# Allegro board zp-dic_pda_8ch_board_v001_166_20241018_1809.brd (continued)
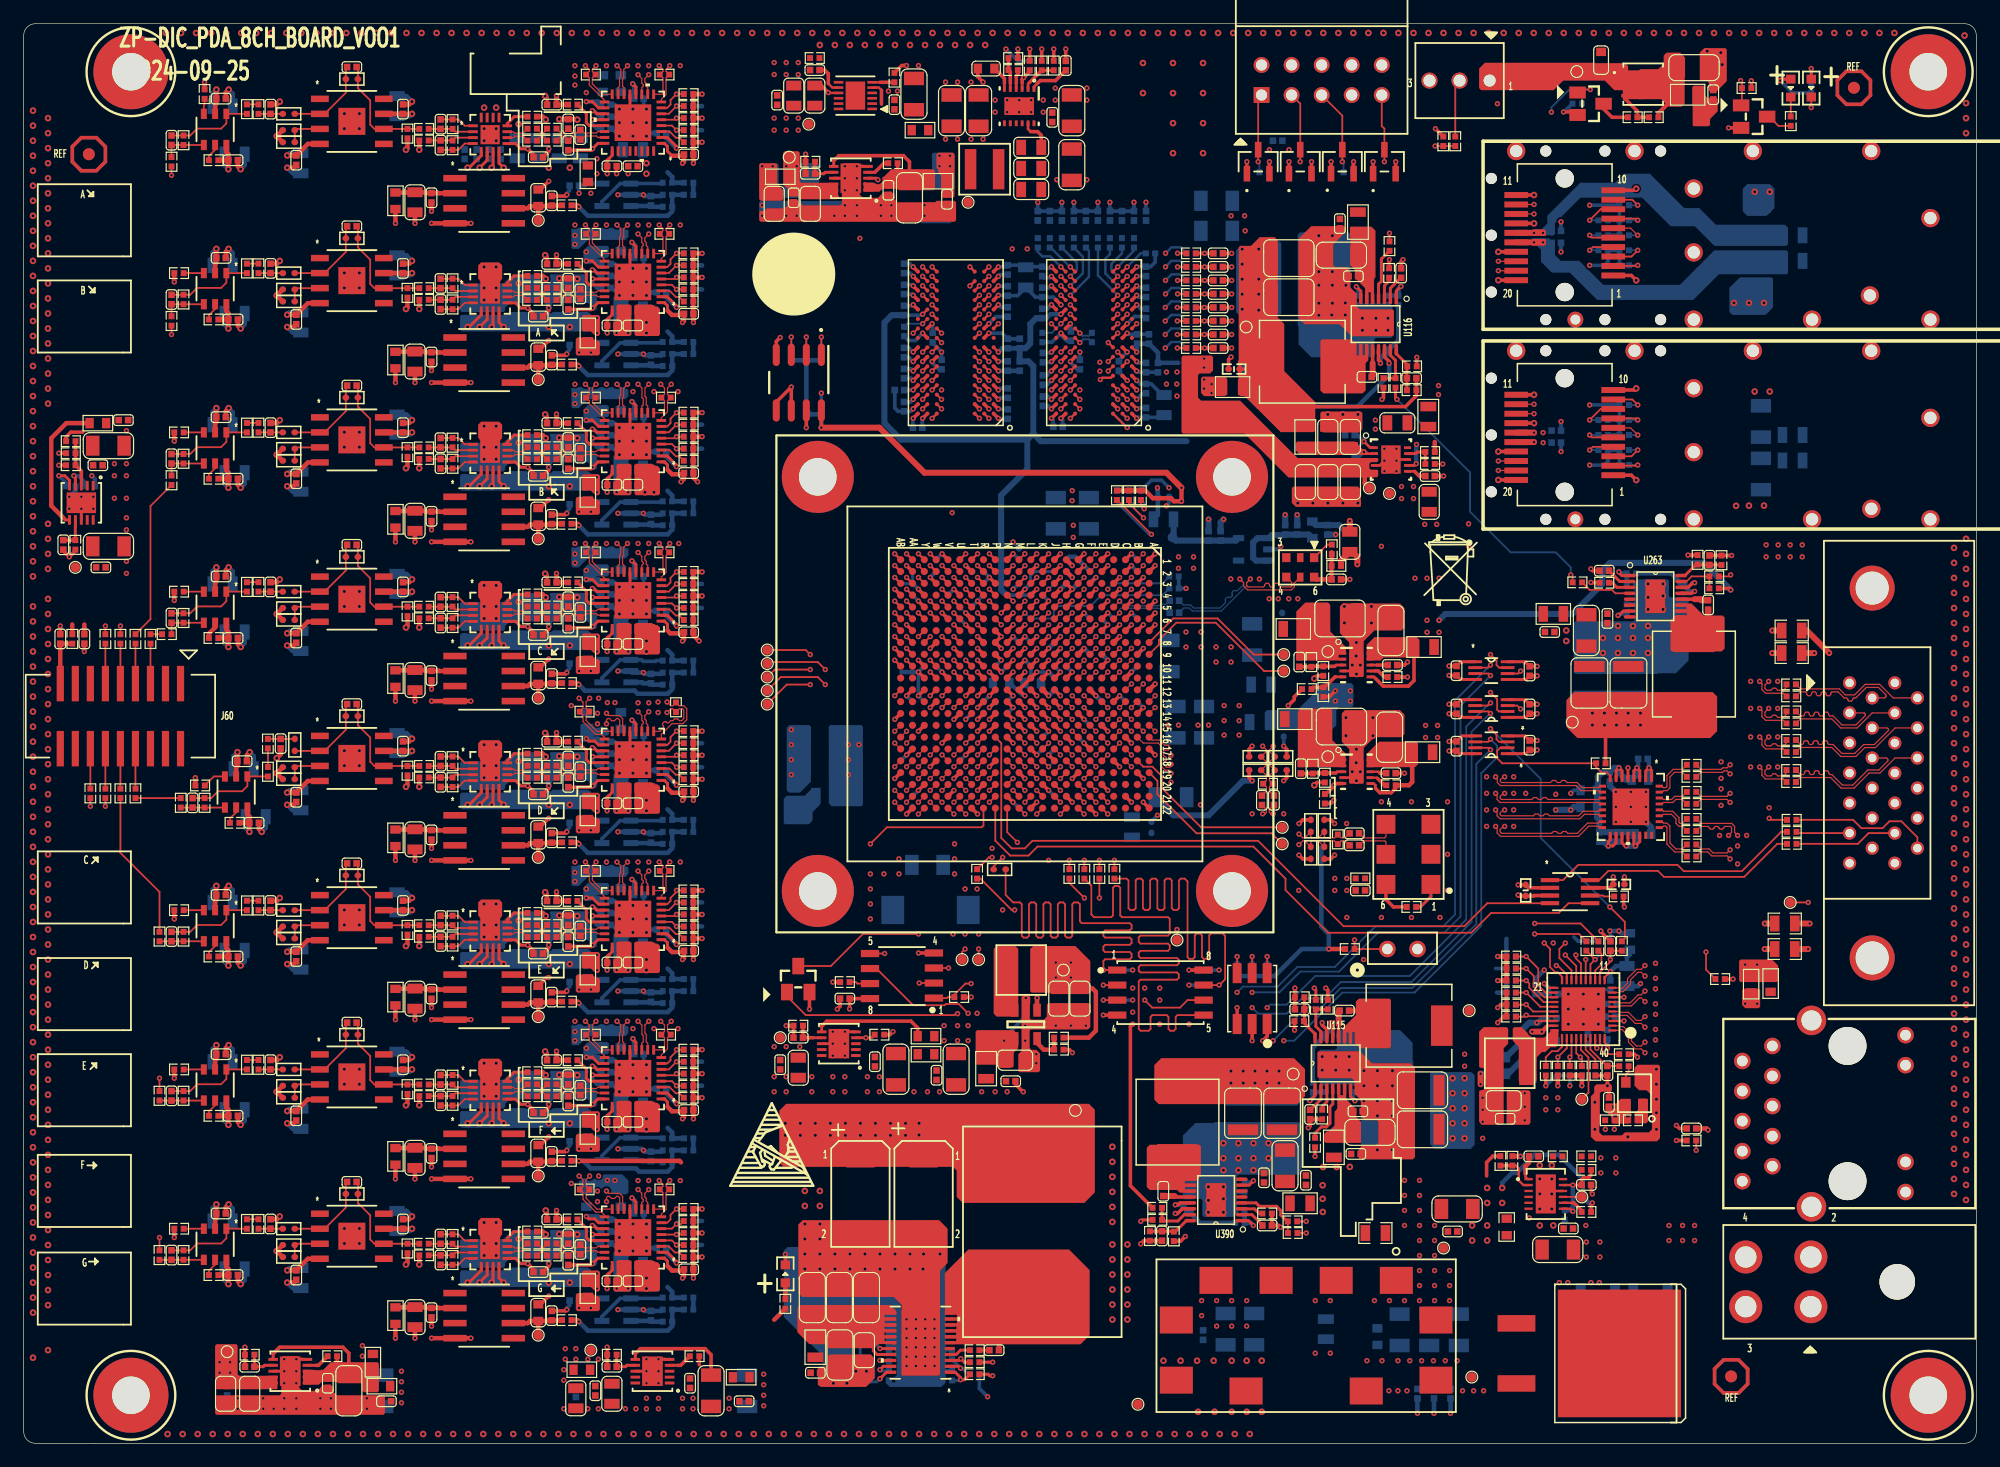
[diagram p0: board, top side]
## Routing (per net, layer and track width the routed paths; a pad name or vN(x,y) marks a point on that pad's centre or on a via; arc(x,y) is an arc through that point) (continued)
ADC1_CNV_P: length 51.1
  TOP w0.102: v1(53.7,76.06) 54.02,75.74 54.02,75.58 R3012.2 54.02,75.04 54.02,73.71 53.95,73.65 U366.9 ; U1.T20 v1(79.6,56.19)
  ART03 w0.102: v1(53.7,76.06) 53.95,76.3 53.95,76.62 54.29,76.96 55.87,76.96 56.78,76.05 56.78,75.57 56.61,75.41 56.61,75.26 56.9,74.97 57.04,74.97 57.21,75.14 57.69,75.14 59.48,73.35 59.48,72.82 59.14,72.48 58.24,72.48 58.14,72.38 58.14,71.97 58.24,71.87 59.14,71.87 59.48,71.53 59.48,70.79 59.14,70.45 58.8,70.45 58.7,70.35 58.7,69.94 58.8,69.84 59.14,69.84 59.48,69.5 59.48,62.74 62.02,60.2 62.02,58.16 64.15,56.03 72.49,56.03 72.63,55.9 73.31,55.9 73.41,55.79 79.21,55.79 v1(79.6,56.19)
ADC1_DATA_N: length 45
  TOP w0.102: U366.10 52.73,74.2 52.61,74.32 52.61,74.57 52.49,74.69 52.49,74.97 52.82,75.3 v1(52.82,75.3) ; U1.W22 v1(76.6,54.19)
  ART03 w0.102: v1(52.82,75.3) 52.57,75.05 52.57,74.78 52.67,74.68 55.55,74.68 56.51,73.71 56.51,70.64 58.47,68.68 58.47,62.32 60.88,59.91 60.88,57.81 63.7,54.99 71.8,54.99 72.18,54.61 72.32,54.61 72.35,54.63 72.49,54.63 72.63,54.49 72.63,54.35 72.61,54.33 72.61,54.18 72.75,54.04 72.9,54.04 72.92,54.06 73.06,54.06 73.21,53.92 73.21,53.77 73.19,53.75 73.19,53.61 74.09,52.71 75.89,52.71 76.9,53.72 76.9,54.09 76.8,54.19 v1(76.6,54.19)
ADC1_DATA_P: length 45.8
  TOP w0.102: U1.W21 v1(77.6,54.19) ; v1(51.91,75.3) 52.23,74.98 52.23,74.58 52.35,74.46 52.35,74.32 52.23,74.2 U366.11
  ART03 w0.102: v1(51.91,75.3) 52.16,75.05 52.16,74.61 52.5,74.27 55.38,74.27 56.1,73.54 56.1,70.47 58.06,68.51 58.06,62.16 60.47,59.74 60.47,57.64 63.53,54.58 71.63,54.58 73.92,52.3 76.06,52.3 77.31,53.55 77.31,53.9 v1(77.6,54.19)
ADC1_DCO_N: length 49.7
  TOP w0.102: v1(51.03,76.06) 50.71,75.74 50.71,75.05 50.61,74.94 50.61,74.33 50.73,74.2 U366.14 ; U1.W19 v1(76.6,56.19)
  ART03 w0.102: v1(76.6,56.19) 76.9,56.19 77,56.29 77,57.38 76.78,57.59 73.4,57.59 73.29,57.49 72.47,57.49 71.92,56.95 64.12,56.95 62.63,58.43 62.63,60.46 60.09,63 60.09,73.62 55.61,78.11 55.24,78.11 55.14,78 55.14,77.93 55.04,77.83 54.83,77.83 54.73,77.93 54.73,78 54.63,78.11 54.43,78.11 54.33,78 54.33,77.93 54.22,77.83 54.02,77.83 53.92,77.93 53.92,78 53.82,78.11 53.51,78.11 53.13,77.72 53.13,77.57 53.17,77.53 53.17,77.38 53.03,77.24 52.89,77.24 52.84,77.29 52.7,77.29 52.37,76.96 51.29,76.96 50.78,76.45 50.78,76.3 v1(51.03,76.06)
ADC1_DCO_P: length 49.6
  TOP w0.102: v1(50.14,76.06) 50.45,75.74 50.45,75.15 50.35,75.05 50.35,74.32 50.23,74.2 U366.15 ; U1.V19 v1(77.6,56.19)
  ART03 w0.102: v1(50.14,76.06) 50.38,76.3 50.38,76.62 51.12,77.37 52.2,77.37 53.35,78.51 55.77,78.51 60.5,73.79 60.5,63.17 63.04,60.63 63.04,58.6 64.28,57.35 71.75,57.35 72.3,57.9 73.29,57.9 73.4,57.8 76.87,57.8 77.21,57.46 77.21,56.59 v1(77.6,56.19)
ADC1_EN0: length 2.7
  TOP w0.152: U366.4 54.78,71 v1(55.16,70.61) R3021.2
  BOTTOM w0.152: R3021.2 v1(55.16,70.61)
ADC1_EN1: length 2.6
  TOP w0.152: R3019.2 v1(55.16,71.63) 55.03,71.5 U366.5
  BOTTOM w0.152: R3019.2 v1(55.16,71.63)
ADC1_EN2: length 2.8
  TOP w0.152: U366.6 54.52,72 v1(55.16,72.64) R3017.2
  BOTTOM w0.152: R3017.2 v1(55.16,72.64)
ADC1_EN3: length 3.2
  TOP w0.152: R3015.2 v1(55.16,73.66) 54.66,73.15 54.66,72.77 54.38,72.5 U366.7
  BOTTOM w0.152: R3015.2 v1(55.16,73.66)
ADC1_IN+: length 4.8
  TOP w0.102: R2691.2 45.41,70.1 45.64,70.1 C3092.1 46.4,70.1 46.63,70.1 46.9,69.83 C3091.2 47.17,69.83 47.46,70.12 48.4,70.12 48.53,70 U366.23
ADC1_IN-: length 4.8
  TOP w0.102: R2684.2 45.41,70.36 45.64,70.36 C3089.2 46.4,70.36 46.68,70.36 46.95,70.63 C3091.1 47.12,70.63 47.38,70.37 48.4,70.37 48.53,70.5 U366.22
ADC1_VCM_OUT: length 10.1
  TOP w0.254: v1(42.59,69.04) 42.01,69.04 41.56,69.48 U344.9
  TOP w0.305: C3094.1 43.08,68.55 v1(42.59,69.04)
  TOP w0.381: v1(45.02,73.53) C3283.2 R3026.2
  ART08 w0.381: v1(45.02,73.53) 42.59,71.1 v1(42.59,69.04)
ADC1_VIO: length 7
  TOP w0.254: v1(51.4,74.59) 51.74,74.26 51.74,73.65 U366.12
  BOTTOM w0.381: 57.32,70.61 R3022.1 R3020.1 R3018.1 ; C3278.2 51.59,74.4 v1(51.4,74.59) ; R3018.1 R3016.1 ; R3018.1 57.32,72.64
ADC1_VREF: length 11.4
  TOP w0.381: v1(46.91,64.14) 46.78,64.26 R2184.2
  BOTTOM w0.381: R3032.1 R3030.1 R3028.2 54.8,63.74 54.42,63.36 51.88,63.36 51.61,63.63 47.42,63.63 v1(46.91,64.14)
ADC2_CLK_N: length 61.4
  TOP w0.102: v1(47.83,62.98) 47.52,62.67 47.52,62.12 R3034.1 47.52,61.58 47.52,61.11 48.45,60.19 U369.16 ; U1.U18 v1(78.6,57.19)
  ART03 w0.102: v1(78.6,57.19) 78.98,57.19 79.08,57.09 79.08,56.81 79.3,56.59 80.84,56.59 81,56.42 81,52.71 80.9,52.6 80.9,50.78 80.8,50.68 80.72,50.68 80.62,50.58 80.62,50.38 80.72,50.27 80.8,50.27 80.9,50.17 80.9,49.97 80.8,49.87 80.72,49.87 80.62,49.77 80.62,49.56 80.72,49.46 80.8,49.46 80.9,49.36 80.9,48.93 80.46,48.48 80.31,48.48 80.28,48.52 80.14,48.52 79.99,48.37 79.99,48.23 80.03,48.19 80.03,48.05 79.68,47.7 70.84,47.7 68.86,49.68 61.36,49.68 57.15,53.9 55.11,53.9 53.64,55.37 53.64,59.31 53.01,59.94 52.06,59.94 51.85,60.15 51.65,60.15 51.45,59.94 51.24,59.94 51.04,60.15 50.84,60.15 50.63,59.94 50.43,59.94 50.23,60.15 50.03,60.15 49.82,59.94 48.69,59.94 48.01,60.62 48.01,60.88 47.85,61.04 47.6,61.04 47.49,61.14 47.49,61.74 47.65,61.9 47.65,62.15 47.49,62.3 47.49,62.65 v1(47.83,62.98)
ADC2_CLK_P: length 60.9
  TOP w0.102: U1.T18 v1(79.6,57.19) ; v1(46.94,62.98) 47.27,62.65 47.27,62.12 R3034.2 47.27,61.58 47.27,61.01 48.34,59.93 48.83,59.93 49.08,59.68 U369.17
  ART03 w0.102: v1(79.6,57.19) 79.38,57.19 79.28,57.09 79.28,56.89 79.38,56.79 80.92,56.79 81.21,56.51 81.21,52.71 81.31,52.6 81.31,48.76 79.84,47.29 70.67,47.29 68.69,49.28 61.19,49.28 56.98,53.49 54.95,53.49 53.23,55.2 53.23,59.14 52.84,59.54 48.52,59.54 47.09,60.97 47.09,62.82 47.09,62.82 v1(46.94,62.98)
ADC2_CNV_N: length 55.1
  TOP w0.102: U1.V22 78.11,53.69 v1(78.6,53.19) ; U369.8 53.88,59.93 54.78,60.83 55.7,60.83 56.03,61.16 56.03,62.09 55.78,62.34 55.39,62.34 R3033.1 54.85,62.34 54.69,62.34 v1(54.37,62.66)
  ART03 w0.102: v1(78.6,53.19) 78.9,52.9 78.9,52.58 78.9,52.58 78.9,52.16 77.19,50.44 73.12,50.44 70.73,52.83 62.78,52.83 58.34,57.28 57.07,57.28 56.43,57.91 56.43,58.36 56.54,58.47 56.91,58.47 57.25,58.81 57.25,59.55 56.91,59.89 56.54,59.89 56.43,59.99 56.43,64.85 55.14,66.14 55.14,68.34 54.8,68.68 53.6,68.68 53.18,68.27 53.18,64.64 54.73,63.09 54.73,62.78 54.62,62.66 v1(54.37,62.66)
ADC2_CNV_P: length 56.6
  TOP w0.102: U369.9 53.78,60.19 54.07,60.48 54.07,60.62 53.99,60.7 53.99,60.85 54.13,60.99 54.27,60.99 54.36,60.91 54.5,60.91 54.68,61.09 54.85,61.09 55,61.24 55.26,61.24 55.41,61.09 55.59,61.09 55.77,61.27 55.77,61.99 55.67,62.09 55.39,62.09 R3033.2 54.85,62.09 54.69,62.09 v1(54.37,61.77) ; v1(79.6,53.19) 79.1,53.69 U1.U22
  ART03 w0.102: v1(54.37,61.77) 54.37,62.07 54.56,62.26 54.78,62.26 55.14,62.61 55.14,63.26 54.97,63.43 54.97,63.57 55,63.6 55,63.74 54.85,63.89 54.71,63.89 54.68,63.86 54.54,63.86 54.4,64.01 54.4,64.15 54.42,64.18 54.42,64.32 54.28,64.46 54.13,64.46 54.11,64.44 53.96,64.44 53.59,64.81 53.59,68.1 53.77,68.28 54.63,68.28 54.73,68.17 54.73,65.97 56.03,64.68 56.03,59.82 56.37,59.48 56.74,59.48 56.84,59.38 56.84,58.97 56.74,58.87 56.37,58.87 56.03,58.53 56.03,57.74 56.9,56.87 58.17,56.87 62.62,52.43 70.57,52.43 72.95,50.04 77.36,50.04 79.31,51.99 79.31,52.75 79.31,52.9 v1(79.6,53.19)
ADC2_DATA_N: length 57
  TOP w0.102: v1(52.82,61.84) 52.49,61.5 52.49,61.23 52.61,61.1 52.61,60.86 52.73,60.74 U369.10 ; U1.U21 v1(78.6,54.19)
  ART03 w0.102: v1(78.6,54.19) 78.98,54.19 79.08,54.09 79.08,53.86 79.35,53.59 79.89,53.59 80,53.48 80,53.02 79.9,52.92 79.9,52.19 79.9,52.19 79.9,51.66 79.29,51.05 79.29,49.35 78.91,48.97 72.61,48.97 71.88,49.7 71.4,49.7 70.99,49.29 70.84,49.29 70.55,49.57 70.55,49.72 70.97,50.13 70.97,51.02 70.18,51.82 69.04,51.82 68.7,51.48 68.7,50.8 68.6,50.7 68.2,50.7 68.09,50.8 68.09,51.48 67.75,51.82 67.01,51.82 66.67,51.48 66.67,50.8 66.57,50.7 66.16,50.7 66.06,50.8 66.06,51.48 65.72,51.82 64.98,51.82 64.64,51.48 64.64,50.8 64.54,50.7 64.13,50.7 64.03,50.8 64.03,51.48 63.69,51.82 62.95,51.82 62.61,51.48 62.61,50.8 62.51,50.7 61.87,50.7 61.31,51.25 61.31,51.4 61.76,51.85 61.76,52.33 61.24,52.86 60.76,52.86 60.31,52.41 60.16,52.41 59.88,52.69 59.88,52.84 60.33,53.29 60.33,53.77 59.8,54.29 59.32,54.29 58.87,53.84 58.73,53.84 58.44,54.13 58.44,54.27 58.89,54.72 58.89,55.2 58.36,55.73 57.88,55.73 57.43,55.28 56.98,55.28 55.75,56.52 54.78,56.52 54.66,56.64 54.66,60.07 54.24,60.48 54.24,60.63 54.3,60.69 54.3,60.83 54.16,60.97 54.02,60.97 53.96,60.91 53.81,60.91 53.64,61.09 52.7,61.09 52.6,61.19 52.6,61.62 v1(52.82,61.84)
ADC2_DATA_P: length 57.9
  TOP w0.102: v1(51.91,61.84) 52.23,61.52 52.23,61.12 52.35,61 52.35,60.86 52.23,60.74 U369.11 ; U1.T21 v1(79.6,54.19)
  ART03 w0.102: v1(79.6,54.19) 79.38,54.19 79.28,54.09 79.28,53.95 79.44,53.79 79.97,53.79 80.21,53.56 80.21,53.02 80.31,52.92 80.31,52.19 80.31,52.19 80.31,51.5 79.7,50.89 79.7,49.18 79.08,48.56 72.45,48.56 71.72,49.3 71.57,49.3 71.15,48.88 70.67,48.88 70.15,49.41 70.15,49.89 70.57,50.3 70.57,50.85 70.01,51.41 69.21,51.41 69.11,51.31 69.11,50.63 68.77,50.29 68.03,50.29 67.69,50.63 67.69,51.31 67.59,51.41 67.18,51.41 67.08,51.31 67.08,50.63 66.74,50.29 65.99,50.29 65.66,50.63 65.66,51.31 65.55,51.41 65.15,51.41 65.05,51.31 65.05,50.63 64.71,50.29 63.96,50.29 63.62,50.63 63.62,51.31 63.52,51.41 63.12,51.41 63.01,51.31 63.01,50.63 62.67,50.29 61.7,50.29 60.91,51.09 60.91,51.57 61.36,52.02 61.36,52.16 61.07,52.45 60.93,52.45 60.48,52 60,52 59.47,52.52 59.47,53 59.92,53.45 59.92,53.6 59.63,53.89 59.49,53.89 59.04,53.44 58.56,53.44 58.03,53.96 58.03,54.44 58.48,54.89 58.48,55.04 58.19,55.32 58.05,55.32 57.6,54.87 56.82,54.87 55.58,56.11 54.62,56.11 54.25,56.47 54.25,59.9 53.47,60.68 52.53,60.68 52.19,61.02 52.19,61.56 v1(51.91,61.84)
ADC2_DCO_N: length 56.8
  TOP w0.102: U369.14 50.73,60.54 50.62,60.66 50.62,61.24 50.34,61.52 49.44,61.52 v1(49.25,61.71) ; v1(76.6,55.19) U1.W20
  ART03 w0.102: v1(49.25,61.71) 49.49,61.47 49.98,61.47 50.47,61.96 50.47,62.96 50.81,63.3 51.38,63.3 51.48,63.4 51.48,63.81 51.38,63.91 50.81,63.91 50.47,64.25 50.47,64.84 51.58,65.95 51.58,68.24 53.47,70.13 55.44,70.13 56.64,68.94 56.64,67.43 57.45,66.61 57.45,61.85 59.86,59.44 59.86,57.22 63.16,53.92 71.26,53.92 73.62,51.56 76.37,51.56 78,53.19 78,54.48 77.89,54.59 77.35,54.59 77.08,54.86 77.08,55.09 76.98,55.19 v1(76.6,55.19)
ADC2_DCO_P: length 57.3
  TOP w0.102: U369.15 50.23,60.52 50.36,60.66 50.36,61.14 50.24,61.26 50.1,61.26 49.93,61.09 49.67,61.09 49.49,61.26 49.36,61.26 49.25,61.15 v1(49.25,60.82) ; U1.V20 v1(77.6,55.19)
  ART03 w0.102: v1(49.25,60.82) 49.49,61.06 50.15,61.06 50.87,61.79 50.87,62.79 50.97,62.89 51.55,62.89 51.89,63.23 51.89,63.98 51.55,64.32 50.97,64.32 50.87,64.42 50.87,64.67 51.99,65.79 51.99,68.07 53.64,69.72 55.28,69.72 56.23,68.77 56.23,67.26 57.04,66.45 57.04,61.68 59.46,59.27 59.46,57.05 62.99,53.52 71.09,53.52 73.45,51.16 76.54,51.16 78.21,52.82 78.21,54.56 77.97,54.79 77.44,54.79 77.28,54.95 77.28,55.09 77.38,55.19 v1(77.6,55.19)
ADC2_EN0: length 2.7
  TOP w0.152: R3042.2 v1(55.16,57.15) 54.78,57.54 U369.4
  BOTTOM w0.152: R3042.2 v1(55.16,57.15)
ADC2_EN1: length 2.6
  TOP w0.152: U369.5 55.03,58.03 v1(55.16,58.17) R3040.2
  BOTTOM w0.152: R3040.2 v1(55.16,58.17)
ADC2_EN2: length 2.8
  TOP w0.152: U369.6 54.52,58.54 v1(55.16,59.18) R3038.2
  BOTTOM w0.152: R3038.2 v1(55.16,59.18)
ADC2_EN3: length 3.2
  TOP w0.152: R3036.2 v1(55.16,60.2) 54.66,59.69 54.66,59.31 54.38,59.03 U369.7
  BOTTOM w0.152: R3036.2 v1(55.16,60.2)
ADC2_IN+: length 4.8
  TOP w0.102: R2712.2 45.41,56.64 45.64,56.64 C3115.1 46.4,56.64 46.63,56.64 46.9,56.37 C3114.2 47.17,56.37 47.46,56.66 48.4,56.66 48.53,56.54 U369.23
ADC2_IN-: length 4.8
  TOP w0.102: U369.22 48.53,57.03 48.4,56.91 47.38,56.91 47.12,57.17 C3114.1 46.95,57.17 46.68,56.9 46.4,56.9 C3112.2 45.64,56.9 45.41,56.9 R2705.2
ADC2_VCM_OUT: length 10.1
  TOP w0.254: v1(42.59,55.58) 42.01,55.58 41.56,56.02 U345.9
  TOP w0.305: C3117.1 43.08,55.09 v1(42.59,55.58)
  TOP w0.381: v1(45.02,60.07) C3297.2 R3047.2
  ART08 w0.381: v1(45.02,60.07) 42.59,57.64 v1(42.59,55.58)
ADC2_VIO: length 7
  TOP w0.254: U369.12 51.74,60.19 51.74,60.79 v1(51.4,61.13)
  BOTTOM w0.381: 57.32,57.15 R3043.1 R3041.1 R3039.1 ; R3039.1 57.32,59.18 ; R3039.1 R3037.1 ; C3292.2 51.59,60.94 v1(51.4,61.13)
ADC2_VREF: length 11.4
  TOP w0.381: v1(46.91,50.67) 46.78,50.8 R2185.2
  BOTTOM w0.381: v1(46.91,50.67) 47.67,49.91 54.42,49.91 54.8,50.29 R3049.2 R3051.1 R3053.1
ADC3_CLK_N: length 78.6
  TOP w0.102: v1(48.36,89.52) 48.05,89.22 48.05,88.67 R3055.1 48.06,88.13 48.06,87.98 48.93,87.11 U372.16 ; U1.B12 v1(94.6,64.19)
  ART03 w0.102: v1(48.36,89.52) 48.12,89.76 48.12,90.04 49.01,90.93 50.34,90.93 52.12,92.71 52.82,92.71 53.48,93.37 57.55,93.37 62.38,88.54 62.38,79.33 65.17,76.54 65.17,65.49 66.1,64.57 68.13,64.57 70.19,62.51 72.63,62.51 72.71,62.59 81.94,62.59 82.94,63.59 94.06,63.59 94.33,63.86 94.33,64.09 94.44,64.19 v1(94.6,64.19)
ADC3_CLK_P: length 79.2
  TOP w0.102: v1(47.47,89.52) 47.8,89.19 47.8,88.67 R3055.2 47.8,88.12 47.8,87.88 49.08,86.6 U372.17 ; U1.C12 v1(93.6,64.19)
  ART03 w0.102: v1(47.47,89.52) 47.71,89.76 47.71,90.21 48.84,91.34 50.17,91.34 51.95,93.12 52.65,93.12 53.31,93.78 57.72,93.78 62.78,88.71 62.78,79.5 65.58,76.71 65.58,65.66 66.27,64.97 68.3,64.97 70.35,62.92 72.63,62.92 72.75,62.79 81.86,62.79 82.86,63.79 93.98,63.79 94.13,63.95 94.13,64.09 94.03,64.19 v1(93.6,64.19)
ADC3_CNV_N: length 81.7
  TOP w0.102: v1(54.72,89.52) 54.4,89.2 54.4,88.67 R3054.1 54.4,88.12 54.4,87.2 53.88,86.68 U372.8 ; U1.F16 v1(90.6,59.19)
  ART03 w0.102: v1(54.72,89.52) 54.5,89.52 54.4,89.62 54.4,89.87 54.58,90.04 55.35,90.04 55.48,89.91 55.48,89.85 55.48,89.7 55.66,89.52 55.73,89.52 55.87,89.52 56.03,89.37 56.03,88.69 55.35,88.01 55.15,88.01 54.97,88.19 54.74,88.19 54.56,88.01 54.34,88.01 54.16,88.19 53.93,88.19 53.75,88.01 53.52,88.01 53.35,88.19 53.12,88.19 52.94,88.01 52.4,88.01 51.96,87.58 51.96,86.67 52.3,86.33 54.02,86.33 54.12,86.23 54.12,85.54 54.02,85.44 53.6,85.44 53.26,85.1 53.26,84.36 53.6,84.02 54.02,84.02 54.12,83.91 54.12,82.97 54.02,82.86 50.65,82.86 50.31,82.52 50.31,81.47 50.65,81.13 53.45,81.13 54.21,80.37 56.73,80.37 62.12,74.98 62.12,63.91 66.54,59.49 72.99,59.49 73.09,59.59 90.5,59.59 90.6,59.49 v1(90.6,59.19)
ADC3_CNV_P: length 81.4
  TOP w0.102: v1(53.83,89.52) 54.15,89.2 54.15,88.67 R3054.2 54.15,88.12 54.15,87.3 53.95,87.11 U372.9 ; U1.F15 v1(90.6,60.19)
  ART03 w0.102: v1(90.6,60.19) 90.21,59.79 73.09,59.79 72.99,59.9 66.71,59.9 62.53,64.08 62.53,75.14 56.9,80.77 54.38,80.77 53.62,81.53 50.82,81.53 50.72,81.64 50.72,82.36 50.82,82.46 54.19,82.46 54.53,82.8 54.53,84.08 54.19,84.42 53.77,84.42 53.67,84.52 53.67,84.93 53.77,85.03 54.19,85.03 54.53,85.37 54.53,86.4 54.19,86.74 52.47,86.74 52.37,86.84 52.37,87.41 52.57,87.6 55.52,87.6 56.43,88.52 56.43,89.54 55.52,90.45 54.41,90.45 54,90.03 54,89.69 v1(53.83,89.52)
ADC3_DATA_N: length 83.7
  TOP w0.102: U1.G16 v1(88.61,60.19) ; U372.10 52.73,87.66 52.61,87.79 52.61,88.41 52.5,88.52 52.5,89.2 v1(52.82,89.52)
  ART03 w0.102: v1(88.61,60.19) 88.9,60.19 89,60.29 89,60.49 88.9,60.6 73.32,60.6 73.31,60.58 73.29,60.58 73.28,60.6 73.22,60.6 73.08,60.45 69.2,60.45 68.31,61.34 68,61.34 67.9,61.24 67.9,61.19 67.8,61.09 67.59,61.09 67.49,61.19 67.49,61.24 67.39,61.34 67.19,61.34 67.08,61.24 67.08,61.19 66.98,61.09 66.78,61.09 66.68,61.19 66.68,61.24 66.58,61.34 66.15,61.34 63.14,64.35 63.14,75.52 59.5,79.17 59.5,79.65 60.22,80.36 60.22,80.51 59.93,80.79 59.78,80.79 59.07,80.08 58.59,80.08 58.06,80.6 58.06,81.08 59.16,82.18 59.16,82.32 58.87,82.61 58.73,82.61 57.88,81.76 55.99,81.76 55.65,82.1 55.65,83.94 55.99,84.28 59,84.28 59.1,84.38 59.1,85.6 59,85.7 55.99,85.7 55.65,86.04 55.65,86.78 56.9,88.04 58.85,88.04 58.95,88.14 58.95,88.42 58.24,89.13 58.09,89.13 58.05,89.08 57.9,89.08 57.76,89.23 57.76,89.37 57.81,89.42 57.81,89.56 57.66,89.7 57.52,89.7 57.47,89.66 57.33,89.66 57.19,89.8 57.19,89.94 57.23,89.99 57.23,90.14 57.09,90.28 56.94,90.28 56.9,90.23 56.75,90.23 56.61,90.38 56.61,90.52 56.66,90.57 56.66,90.71 56.31,91.06 54.15,91.06 53.13,90.04 52.67,90.04 52.57,89.94 52.57,89.77 v1(52.82,89.52)
ADC3_DATA_P: length 83.3
  TOP w0.102: v1(51.91,89.52) 52.24,89.19 52.24,88.41 52.35,88.3 52.35,87.79 52.23,87.66 U372.11 ; U1.G15 v1(89.6,60.19)
  ART03 w0.102: v1(51.91,89.52) 52.16,89.77 52.16,90.11 52.5,90.45 52.96,90.45 53.98,91.47 56.48,91.47 59.36,88.59 59.36,87.97 59.02,87.63 57.07,87.63 56.05,86.61 56.05,86.21 56.16,86.11 59.17,86.11 59.51,85.77 59.51,84.21 59.17,83.87 56.16,83.87 56.05,83.77 56.05,82.27 56.16,82.17 57.71,82.17 58.56,83.02 59.04,83.02 59.57,82.49 59.57,82.01 58.47,80.92 58.47,80.77 58.75,80.48 58.9,80.48 59.62,81.2 60.1,81.2 60.62,80.67 60.62,80.19 59.9,79.48 59.9,79.33 63.55,75.69 63.55,64.52 66.32,61.75 68.47,61.75 69.36,60.86 73.17,60.86 73.23,60.8 88.98,60.8 89.21,60.57 89.21,60.29 89.31,60.19 v1(89.6,60.19)
ADC3_DCO_N: length 80.3
  TOP w0.102: U1.D16 v1(92.6,60.19) ; v1(51.03,89.52) 50.71,89.2 50.71,88.51 50.61,88.41 50.61,87.79 50.73,87.66 U372.14
  ART03 w0.102: v1(92.6,60.19) 92.6,60.49 92.5,60.59 90.23,60.59 90,60.82 90,62.41 89.82,62.59 83.37,62.59 82.38,61.6 73.18,61.6 73.07,61.49 72.87,61.49 72.83,61.54 72.69,61.54 72.64,61.49 69.68,61.49 68.18,62.99 67.81,62.99 67.7,62.89 67.7,62.84 67.6,62.74 67.4,62.74 67.3,62.84 67.3,62.89 67.2,62.99 66.99,62.99 66.89,62.89 66.89,62.84 66.79,62.74 66.59,62.74 66.48,62.84 66.48,62.89 66.38,62.99 66.15,62.99 64.16,64.98 64.16,76.03 61.36,78.83 61.36,81.63 61.26,81.73 60.58,81.73 60.24,82.07 60.24,82.82 60.58,83.15 61.26,83.15 61.36,83.26 61.36,83.66 61.26,83.76 60.46,83.76 60.12,84.1 60.12,84.85 60.46,85.19 61.26,85.19 61.36,85.29 61.36,85.69 61.26,85.8 60.46,85.8 60.12,86.14 60.12,86.88 60.46,87.22 61.26,87.22 61.36,87.32 61.36,87.86 59.25,89.97 58.97,89.97 58.83,90.12 58.83,90.4 58.68,90.54 58.4,90.54 58.25,90.69 58.25,90.97 58.1,91.12 57.82,91.12 57.68,91.27 57.68,91.55 57.04,92.18 53.74,92.18 52.62,91.06 51.93,91.06 50.78,89.91 50.78,89.76 v1(51.03,89.52)
ADC3_DCO_P: length 79.8
  TOP w0.102: U372.15 50.23,87.66 50.35,87.78 50.35,88.51 50.45,88.61 50.45,89.2 v1(50.14,89.52) ; U1.D15 v1(92.6,61.19)
  ART03 w0.102: v1(92.6,61.19) 92.21,60.79 90.32,60.79 90.2,60.91 90.2,62.5 89.91,62.79 83.29,62.79 82.29,61.8 73.18,61.8 73.16,61.82 73.11,61.82 73.1,61.81 72.96,61.81 72.87,61.9 69.85,61.9 68.35,63.4 66.32,63.4 64.56,65.15 64.56,76.2 61.77,78.99 61.77,81.8 61.43,82.14 60.75,82.14 60.65,82.24 60.65,82.65 60.75,82.75 61.43,82.75 61.77,83.09 61.77,83.83 61.43,84.17 60.63,84.17 60.52,84.27 60.52,84.68 60.63,84.78 61.43,84.78 61.77,85.12 61.77,85.86 61.43,86.2 60.63,86.2 60.52,86.3 60.52,86.71 60.63,86.81 61.43,86.81 61.77,87.15 61.77,88.03 57.21,92.58 53.57,92.58 52.46,91.47 51.76,91.47 50.38,90.08 50.38,89.76 v1(50.14,89.52)
ADC3_EN0: length 2.7
  TOP w0.152: R3063.2 v1(55.16,84.07) 54.78,84.46 U372.4
  BOTTOM w0.152: R3063.2 v1(55.16,84.07)
ADC3_EN1: length 2.6
  TOP w0.152: U372.5 55.03,84.96 v1(55.16,85.09) R3061.2
  BOTTOM w0.152: R3061.2 v1(55.16,85.09)
ADC3_EN2: length 2.8
  TOP w0.152: U372.6 54.52,85.46 v1(55.16,86.11) R3059.2
  BOTTOM w0.152: R3059.2 v1(55.16,86.11)
ADC3_EN3: length 3.2
  TOP w0.152: R3057.2 v1(55.16,87.12) 54.66,86.61 54.66,86.23 54.38,85.96 U372.7
  BOTTOM w0.152: R3057.2 v1(55.16,87.12)
ADC3_IN+: length 4.8
  TOP w0.102: U372.23 48.53,83.46 48.4,83.58 47.46,83.58 47.17,83.29 C3137.2 46.9,83.29 46.63,83.57 46.4,83.57 C3138.1 45.64,83.57 45.41,83.57 R2733.2
ADC3_IN-: length 4.8
  TOP w0.102: U372.22 48.53,83.96 48.4,83.84 47.38,83.84 47.12,84.09 C3137.1 46.95,84.09 46.68,83.82 46.4,83.82 46.02,84.2 45.64,83.82 45.41,83.82 R2726.2
ADC3_VCM_OUT: length 10.1
  TOP w0.254: U349.9 41.56,82.94 42.01,82.5 v1(42.59,82.5)
  TOP w0.305: C3140.1 43.08,82.01 v1(42.59,82.5)
  TOP w0.381: v1(45.02,87) C3311.2 R3068.2
  ART08 w0.381: v1(42.59,82.5) 42.59,84.56 v1(45.02,87)
ADC3_VIO: length 7
  TOP w0.254: U372.12 51.74,87.11 51.74,87.72 v1(51.4,88.06)
  BOTTOM w0.381: R3060.1 R3058.1 ; R3060.1 R3062.1 R3064.1 57.32,84.07 ; R3060.1 57.32,86.11 ; v1(51.4,88.06) 51.59,87.86 C3306.2
ADC3_VREF: length 11.4
  TOP w0.381: v1(46.91,77.6) 46.78,77.72 R2186.2
  BOTTOM w0.381: v1(46.91,77.6) 47.67,76.84 54.42,76.84 54.8,77.22 R3070.2 R3072.1 R3074.1
ADC4_CLK_N: length 64.1
  TOP w0.102: v1(48.36,49.14) 48.05,48.83 48.05,48.66 R3076.1 48.05,48.11 48.05,47.6 48.93,46.72 U375.16 ; U1.J17 v1(87.6,58.19)
  ART03 w0.102: v1(87.6,58.19) 87.6,58.49 87.5,58.59 87.36,58.59 87.21,58.44 87.21,54.98 87.31,54.88 87.31,54.5 86.66,53.85 86.66,52.2 82.75,48.29 82.75,47.52 81.25,46.02 71.22,46.02 68.88,43.69 65.22,43.69 63.71,45.2 63.71,45.68 64.05,46.02 64.05,46.16 63.77,46.45 63.62,46.45 63.28,46.11 62.8,46.11 62.28,46.64 62.28,47.12 62.93,47.77 62.93,47.92 62.65,48.2 62.5,48.2 61.84,47.55 61.36,47.55 56.49,52.43 55.49,52.43 55.31,52.25 55.08,52.25 54.9,52.43 54.68,52.43 54.5,52.25 54.27,52.25 54.09,52.43 53.86,52.43 53.69,52.25 53.46,52.25 53.28,52.43 52.22,52.43 50.49,50.7 48.84,50.7 48.12,49.98 48.12,49.38 v1(48.36,49.14)
ADC4_CLK_P: length 64
  TOP w0.102: U375.17 49.08,46.22 47.8,47.5 47.8,48.11 R3076.2 47.8,48.66 47.8,48.81 v1(47.47,49.14) ; U1.J16 v1(87.6,59.19)
  ART03 w0.102: v1(47.47,49.14) 47.71,49.38 47.71,50.14 48.67,51.1 50.32,51.1 52.05,52.83 56.65,52.83 61.53,47.95 61.68,47.95 62.33,48.61 62.81,48.61 63.34,48.09 63.34,47.61 62.68,46.95 62.68,46.8 62.97,46.52 63.11,46.52 63.45,46.86 63.93,46.86 64.46,46.33 64.46,45.85 64.12,45.51 64.12,45.37 65.39,44.09 68.71,44.09 71.05,46.43 81.08,46.43 82.34,47.69 82.34,48.45 86.25,52.37 86.25,54.02 86.9,54.66 86.9,54.88 87,54.98 87,58.52 87.28,58.79 87.5,58.79 87.6,58.9 v1(87.6,59.19)
ADC4_CNV_N: length 62.3
  TOP w0.102: U375.8 53.88,46.29 54.28,46.68 54.28,48.11 R3075.1 54.28,48.66 54.28,48.82 v1(54.59,49.14) ; U1.G17 v1(89.6,58.19)
  ART03 w0.102: v1(89.6,58.19) 89.31,58.19 89.21,58.09 89.21,52.86 89.31,52.76 89.31,51.54 87.55,49.78 87.55,47.37 84.1,43.92 74.41,43.92 74.04,43.55 74.04,43.4 74.46,42.99 74.46,42.51 73.93,41.98 73.45,41.98 73.03,42.4 72.89,42.4 71.9,41.41 64.38,41.41 63.18,42.61 63.04,42.61 62.63,42.19 62.15,42.19 61.62,42.72 61.62,43.2 62.03,43.61 62.03,43.76 61.74,44.04 61.6,44.04 61.19,43.63 60.71,43.63 60.18,44.16 60.18,44.64 60.59,45.05 60.59,45.19 60.31,45.48 60.16,45.48 59.75,45.07 59.27,45.07 58.74,45.59 58.74,46.07 59.16,46.49 59.16,46.63 57.58,48.21 57.3,48.21 57.15,48.36 57.15,48.64 57,48.78 56.72,48.78 56.58,48.93 56.58,49.21 56.16,49.63 54.45,49.63 54.35,49.53 54.35,49.38 v1(54.59,49.14)
ADC4_CNV_P: length 61.9
  TOP w0.102: v1(53.7,49.14) 54.02,48.82 54.02,48.66 R3075.2 54.02,48.11 54.02,46.79 53.95,46.72 U375.9 ; U1.H17 v1(88.6,58.19)
  ART03 w0.102: v1(88.6,58.19) 88.9,58.19 89,58.09 89,52.86 88.9,52.76 88.9,51.71 87.14,49.95 87.14,47.54 83.93,44.32 74.24,44.32 73.63,43.71 73.63,43.23 74.05,42.82 74.05,42.67 73.76,42.39 73.62,42.39 73.2,42.8 72.72,42.8 71.73,41.82 64.55,41.82 63.35,43.01 62.87,43.01 62.46,42.6 62.31,42.6 62.03,42.89 62.03,43.03 62.44,43.44 62.44,43.92 61.91,44.45 61.43,44.45 61.02,44.04 60.88,44.04 60.59,44.33 60.59,44.47 61,44.88 61,45.36 60.48,45.89 59.99,45.89 59.58,45.47 59.44,45.47 59.15,45.76 59.15,45.91 59.56,46.32 59.56,46.8 56.32,50.04 54.29,50.04 53.95,49.7 53.95,49.38 v1(53.7,49.14)
ADC4_DATA_N: length 59.4
  TOP w0.102: U1.E19 v1(90.61,56.19) ; v1(52.82,48.37) 52.82,48.37 52.49,48.04 52.49,47.76 52.61,47.64 52.61,47.4 52.73,47.28 U375.10
  ART03 w0.102: v1(52.82,48.37) 52.57,48.12 52.57,47.8 52.67,47.7 55.57,47.7 59.11,44.16 59.11,43.68 58.68,43.25 58.68,43.11 58.97,42.82 59.11,42.82 59.54,43.25 60.02,43.25 60.55,42.72 60.55,42.24 60.12,41.81 60.12,41.67 60.41,41.38 60.55,41.38 60.98,41.81 61.46,41.81 62.76,40.51 75.48,40.51 77.59,42.62 84.13,42.62 88.79,47.28 88.79,50.08 91,52.29 91,56.44 90.85,56.59 90.71,56.59 90.61,56.49 v1(90.61,56.19)
ADC4_DATA_P: length 60.9
  TOP w0.102: U375.11 52.23,47.28 52.35,47.4 52.35,47.54 52.23,47.66 52.23,48.06 v1(51.91,48.37) ; U1.F18 v1(90.6,57.19)
  ART03 w0.102: v1(90.6,57.19) 90.6,56.9 90.71,56.79 90.93,56.79 91.21,56.52 91.21,51.92 89.2,49.91 89.2,47.11 84.3,42.21 77.76,42.21 75.65,40.11 62.59,40.11 61.29,41.4 61.15,41.4 60.72,40.98 60.24,40.98 59.71,41.5 59.71,41.98 60.14,42.41 60.14,42.55 59.86,42.84 59.71,42.84 59.28,42.41 58.8,42.41 58.28,42.94 58.28,43.42 58.71,43.85 58.71,43.99 55.4,47.29 52.5,47.29 52.16,47.63 52.16,48.13 v1(51.91,48.37)
ADC4_DCO_N: length 61
  TOP w0.102: v1(51.03,49.14) 50.71,48.82 50.71,48.12 50.61,48.02 50.61,47.4 50.73,47.28 U375.14 ; U1.D17 v1(92.6,59.19)
  ART03 w0.102: v1(51.03,49.14) 50.77,49.39 50.77,49.51 51.9,50.65 56.61,50.65 64.59,42.67 71.27,42.67 73.55,44.96 81.71,44.96 83.54,46.79 84.3,46.79 84.91,47.4 84.91,48.85 88.31,52.26 88.31,52.58 88.21,52.69 88.21,58.41 88.39,58.59 91.91,58.59 92.18,58.86 92.18,59.09 92.28,59.19 v1(92.6,59.19)
ADC4_DCO_P: length 61
  TOP w0.102: U375.15 50.23,47.28 50.35,47.4 50.35,48.12 50.45,48.23 50.45,48.82 v1(50.14,49.14) ; U1.E16 v1(91.6,59.19)
  ART03 w0.102: v1(50.14,49.14) 50.36,49.36 50.36,49.68 51.74,51.05 56.78,51.05 64.76,43.08 71.1,43.08 73.39,45.36 81.54,45.36 83.37,47.19 84.13,47.19 84.5,47.57 84.5,49.02 87.91,52.43 87.91,52.5 88.01,52.6 88.01,58.5 88.3,58.79 91.83,58.79 91.98,58.95 91.98,59.09 91.88,59.19 v1(91.6,59.19)
